# Altium PCB PCB - PCBWAY.PcbDoc (part 3 of 4) (continued)
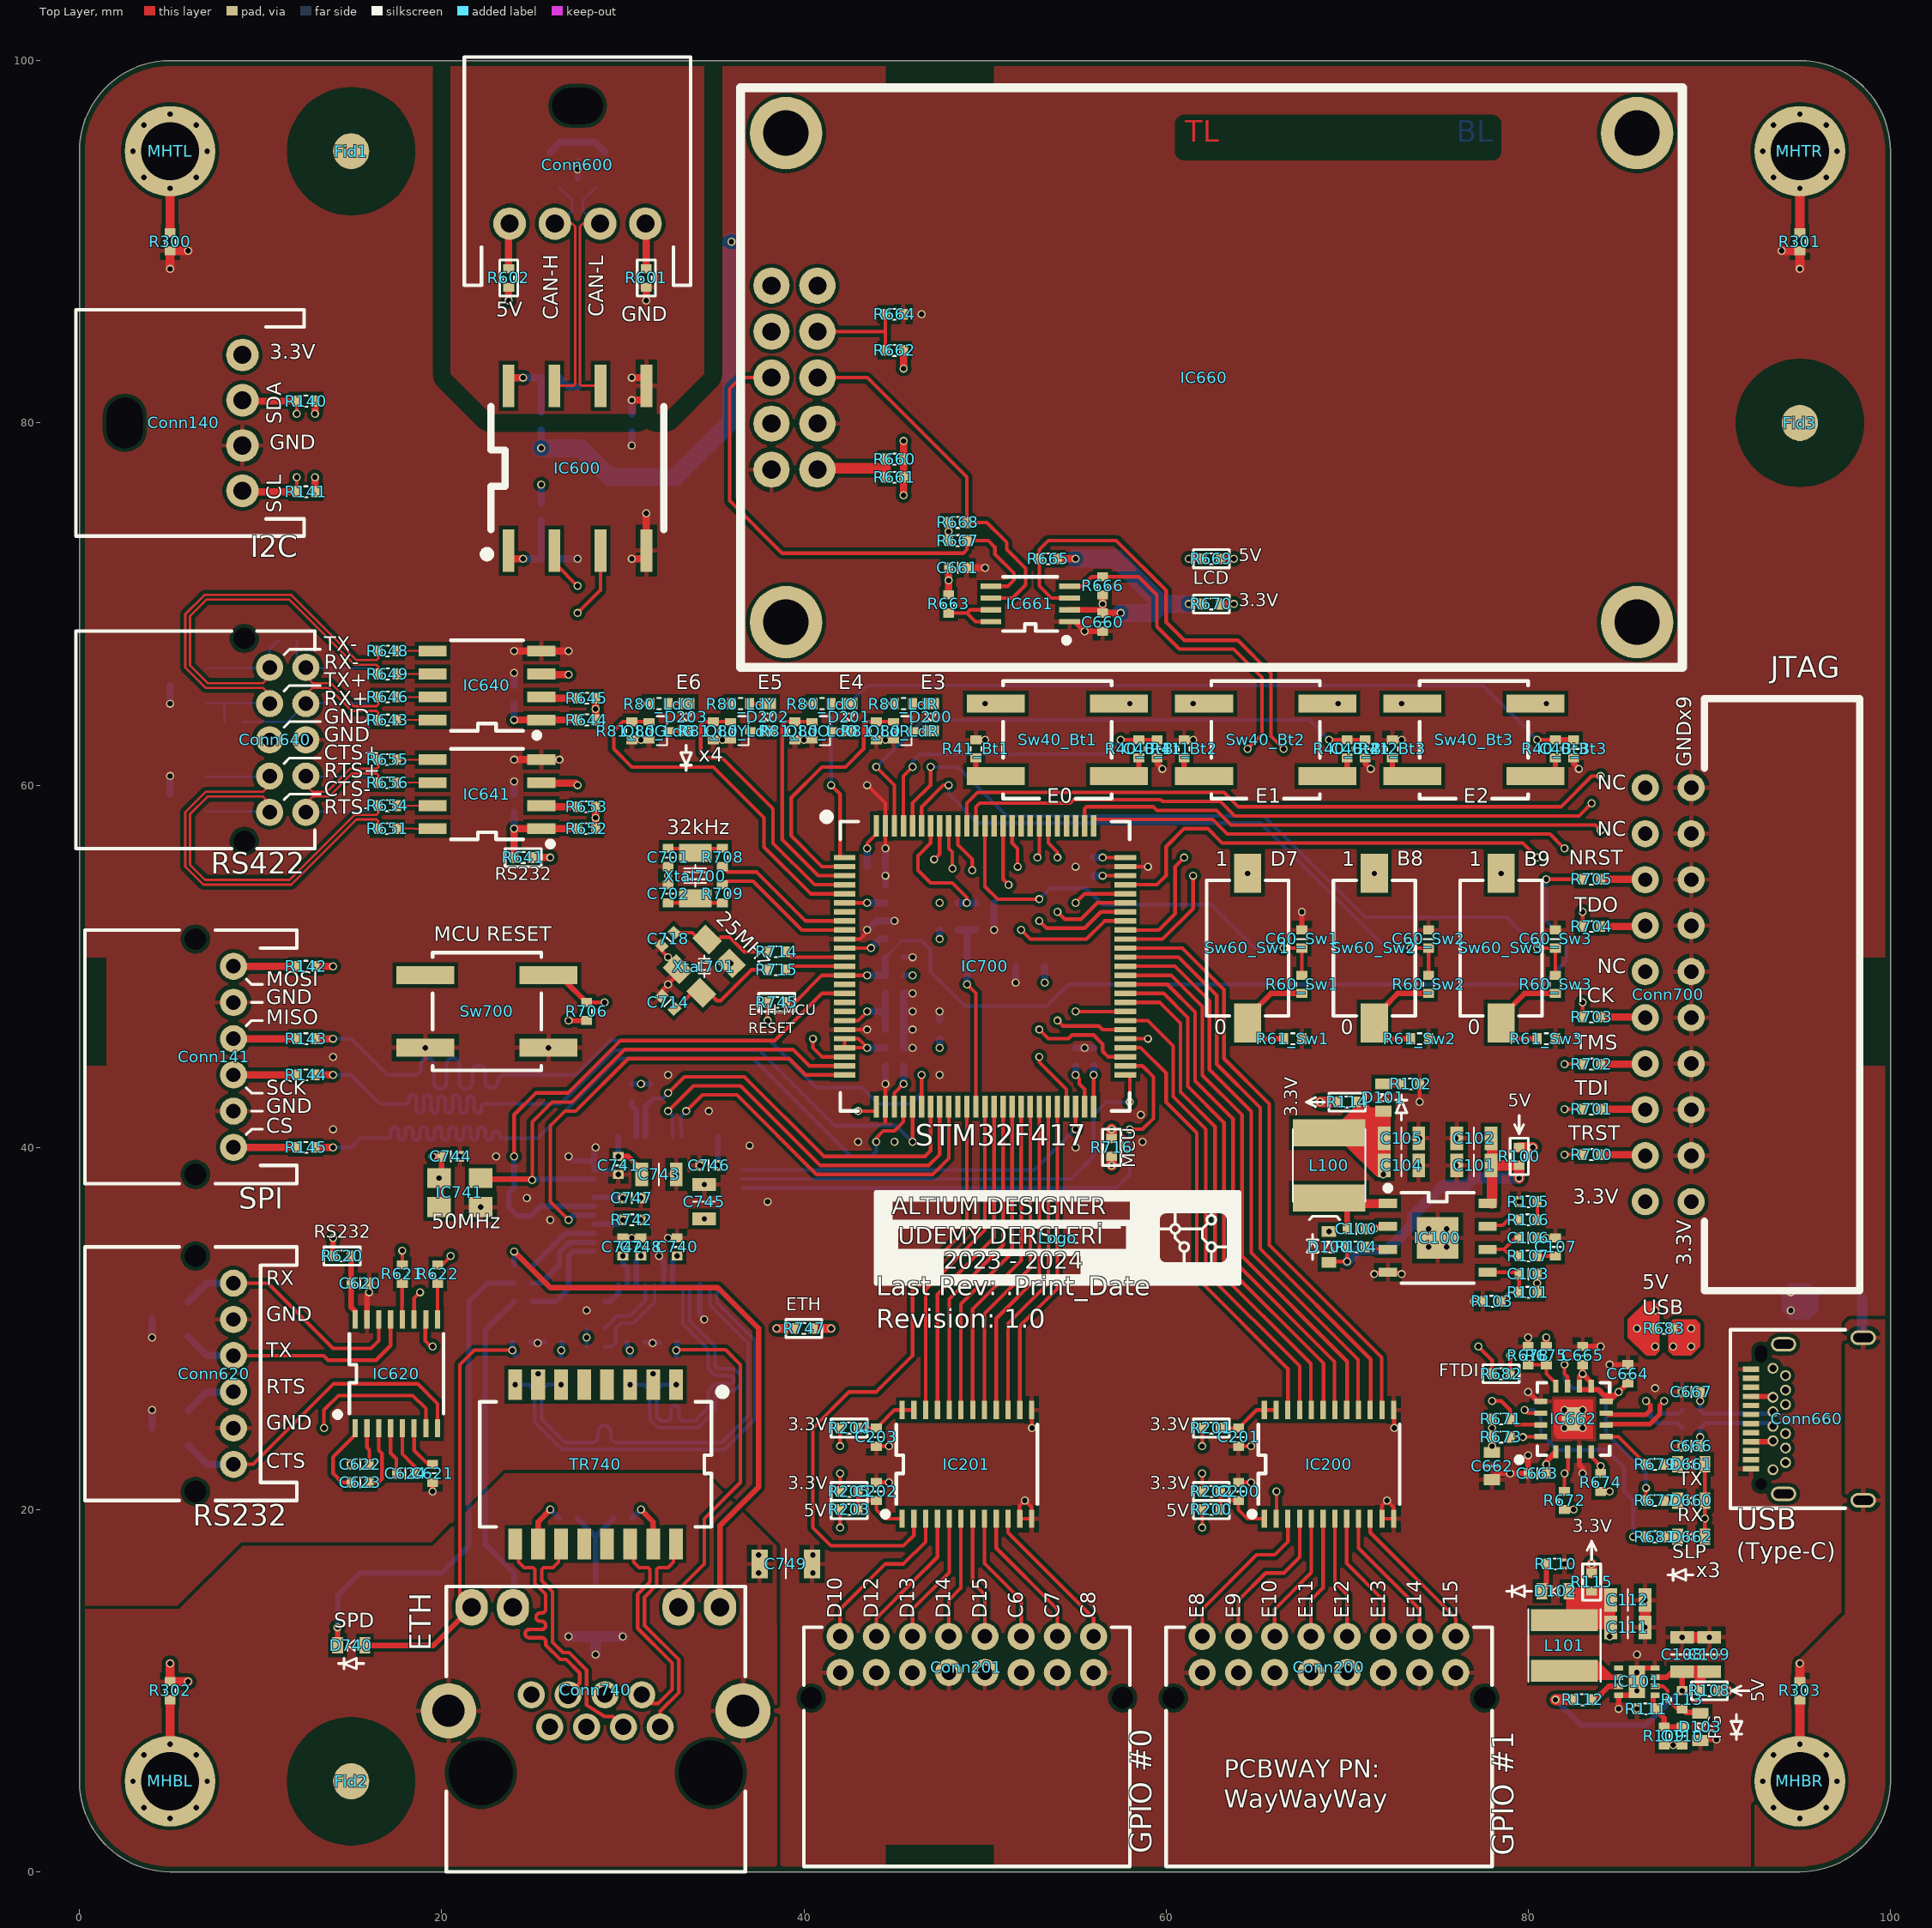
[diagram p0: Top Layer view]
## Nets (pads, with @x,y where several pads share a name; then routed paths per layer and width w, separated by ;. In a path a pad name is that pad's centre, name@x,y a point inside that pad or via, vN(x,y) a via of type N, cw(c..) or ccw(c..) an arc to the next point about the centre after c; other vN are vias at no path point) (continued)
  Top Layer w0.2: IC700.72@57.75,54.5 59.5,54.5 60,55 60,56.6 61,57.6 62.3,57.6 63.1,56.8 79.7,56.8 v2(80.5,56) ; v1(82,44.6) R702.1@83,44.6
  Layer 3 w0.2: v2(80.5,56) 81.1,56 81.8,55.3 81.8,54.1 81.3,53.6 81.3,45.3 v1(82,44.6)
PA14: IC700.76 R703.1 | length 36.6
  Top Layer w0.2: IC700.76@56.1,58.1 62.579,58.1 63.379,57.3 81.2,57.3 v1(82,56.5) ; R703.1@83,47.2 v2(83,48)
  Layer 3 w0.2: v1(82,56.5) 82.4,56.1 82.4,53.8 82,53.4 82,49 v2(83,48)
PA15: IC700.77 R701.1 | length 47.9
  Top Layer w0.2: IC700.77@55.5,57.75 55.5,58.7 55.6,58.8 59.3,58.8 59.5,58.6 62.786,58.6 63.586,57.8 83.7,57.8 v2(84,57.5) ; v1(82,42.1) R701.1@83,42.1
  Layer 3 w0.2: v1(82,42.1) 83.1,42.1 84,43 v2(84,57.5)
PB0: IC700.35
PB1: IC201.2 IC700.36 | length 34.8
  Top Layer w0.2: IC201.2@46.075,19.5 46.075,18.575 45.5,18 41.5,18 40.5,19 40.5,24.5 42.5,26.5 44,26.5 46,28.5 46,32.5 49,35.5 IC700.36@49,42.254
PB2: IC700.37 R711.1 R713.2 | length 11
  Top Layer w0.2: v1(49.007,49) 49.5,48.507 IC700.37@49.5,42.25
  Bottom Layer w0.4: R711.1@48.5,52 49.007,52 ; v1(49.007,49) 49.007,52 ; R713.2@49.5,52 49.007,52
PB3: IC700.89 R704.1 | length 42.9
  Top Layer w0.2: IC700.89@49.5,57.75 49.5,58.793 49.707,59 54.7,59 54.9,59.2 59.7,59.2 59.8,59.1 62.993,59.1 63.793,58.3 82.8,58.3 v1(83.5,59) ; R704.1@83,52.2 v2(83,53)
  Layer 3 w0.2: v2(83,53) 83,58.5 v1(83.5,59)
PB4: IC700.90 R700.1 | length 61.7
  Top Layer w0.2: IC700.90@49,57.75 49,59 49.6,59.6 63.2,59.6 64,58.8 81.8,58.8 83.5,60.5 v2(84,60.5) ; v1(82,39.6) R700.1@83,39.6
  Layer 3 w0.2: v1(82,39.6) 83,39.6 84.7,41.3 84.7,56.2 85,56.5 85,59.5 v2(84,60.5)
PB5: IC700.91 R142.2 | length 48.3
  Top Layer w0.2: IC700.91@48.5,57.75 48.5,56.7 49.3,55.9 v1(49.3,55.3)
  Top Layer w0.4: R142.2@13,50 v1(14,50)
  Layer 3 w0.2: v1(14,50) 18.7,50 25.1,56.4 25.1,58.9 27,60.8 28.2,60.8 32,57 41.3,57 42.6,55.7 45.1,55.7 46.4,54.4 48.9,54.4 49.3,54.8 v1(49.3,55.3)
PB6: Conn140.4 IC700.92 R141.2 | length 57.4
  Top Layer w0.2: R141.2@12,76.3 v1(12,77) ; IC700.92@48,57.75 48,56.5 48.2,56.3 v1(48.2,55.4)
  Top Layer w0.4: Conn140.4@9.5,76.2 R141.2@12,76.2
  Layer 3 w0.2: v1(12,77) 12,78 12.405,78.405 13.995,78.405 21.705,70.695 21.705,63.395 22.795,62.305 27.595,62.305 32.4,57.5 45,57.5 45.6,56.9 45.6,56.4 47,55 47.8,55 v1(48.2,55.4)
PB7: Conn140.2 IC700.93 R140.2 | length 57.4
  Top Layer w0.2: v2(12,80.5) R140.2@12,81.2 ; v1(47.2,55.9) 47.5,56.2 IC700.93@47.5,57.75
  Top Layer w0.4: Conn140.2@9.5,81.2 R140.2@12,81.2
  Layer 3 w0.2: v2(12,80.5) 12,79.5 12.6,78.9 14.2,78.9 15.3,77.8 15.371,77.729 16.908,76.192 ccw(c17.158,76.443) 17.408,76.192 17.728,76.511 cw(c17.978,76.261) 18.228,76.511 cw(c17.978,76.261) 18.228,76.011 17.909,75.692 ccw(c18.159,75.441) 17.909,75.191 18.41,74.69 18.48,74.62 22.2,70.9 22.2,63.6 23,62.8 27.8,62.8 32.605,57.995 45.205,57.995 46.095,57.105 46.095,56.605 46.8,55.9 v1(47.2,55.9)
PB8: C60_Sw2.1 IC700.95 R60_Sw2.2 | length 35.3
  Top Layer w0.2: IC700.95@46.5,57.505 IC700.95@46.5,57.75 46.5,58.8 47.7,60 v1(48,60) ; v1(73.5,51) C60_Sw2.1@74.5,51 R60_Sw2.2@74.5,49.5
  Bottom Layer w0.2: v1(48,60) 48,59.5 49.6,57.9 65.234,57.9 72.134,51 v1(73.5,51)
PB9: C60_Sw3.1 IC700.96 R60_Sw3.2 | length 44.1
  Top Layer w0.2: IC700.96@46,57.505 IC700.96@46,57.75 46,59.007 47,60.007 v1(47,61) ; v1(80.5,51) C60_Sw3.1@81.5,51 R60_Sw3.2@81.5,49.5
  Bottom Layer w0.2: v1(47,61) 48.5,61 51.2,58.3 65.4,58.3 71,52.7 78.8,52.7 v1(80.5,51)
PB10: IC662.2 IC700.47 R672.2 | length 55
  Top Layer w0.2: v1(53,45) 53,44.7 54.5,43.2 IC700.47@54.5,42.25 ; R672.2@82,21 v1(82,22) 82.2,22.2 82.2,23.1 82.175,23.125 IC662.2@82.175,23.19
  Layer 3 w0.2: v1(53,45) 53.7,45 56.9,48.2 59.2,48.2 63.1,44.3 63.1,35.2 68.7,29.6 72.9,29.6 74.5,28 74.5,24.5 78,21 81,21 v1(82,22)
PB11: IC700.48 IC740.2 | length 20.6
  Top Layer w0.2: v2(55,41) IC700.48@55,42.25
  Bottom Layer w0.2: IC740.2@36.6,38.75 52.75,38.75 v2(55,41)
PB12: IC700.51 IC740.3 | length 26
  Top Layer w0.2: v1(58,42.5) IC700.51@58,44
  Bottom Layer w0.2: IC740.3@36.6,38.25 54.75,38.25 56,39.5 56,41.8 56.7,42.5 v1(58,42.5)
PB13: IC700.52 IC740.4 | length 29.9
  Top Layer w0.2: IC700.52@57.75,44.5 58.7,44.5 59.3,43.9 59.3,41.6 58.7,41 v2(58,41)
  Bottom Layer w0.2: IC740.4@36.6,37.75 57.25,37.75 58,38.5 v2(58,41)
PB14: IC662.4 IC700.53 R674.2 | length 58.7
  Top Layer w0.2: v1(53,46.5) 53.5,46 54.6,46 54.8,46.2 56,46.2 56.5,45.7 56.5,45.3 56.8,45 IC700.53@57.75,45 ; IC662.4@83.475,23.19 83.475,22.925 v2(84,22.4) R674.2@84,22
  Layer 3 w0.2: v1(53,46.5) 53,47.5 55.2,49.7 59.821,49.7 64.6,44.921 64.6,35.821 69.321,31.1 73.521,31.1 76,28.621 76,27.7 76.4,27.3 80.3,27.3 81,26.6 81,24.2 81.9,23.3 83.1,23.3 v2(84,22.4)
PB15: IC200.22 IC700.54 | length 24.2
  Top Layer w0.2: IC700.54@57.75,45.5 58.6,45.5 60,44.1 60,42.5 61.7,40.8 61.7,32.8 66.725,27.775 IC200.22@66.725,25.5
PC0: IC700.15
PC1: IC700.16 IC740.31 | length 31.4
  Top Layer w0.2: v1(24,39.5) 24,41.8 25.2,43 26.986,43 29.886,45.9 38.4,45.9 41,48.5 IC700.16@42.25,48.5
  Bottom Layer w0.3: v1(24,39.5) 24,37.8 23.7,37.5 23.7,36.7 24.2,36.2 24.9,36.2 25.45,36.75 28.15,36.75 IC740.31@28.4,36.75
PC2: IC700.17
PC3: IC700.18
PC4: IC700.33 IC740.43 | length 21.8
  Top Layer w0.2: v1(32.5,42) 33.9,43.4 36.507,43.4 40.907,39 46.893,39 47.5,39.607 IC700.33@47.5,42.25
  Bottom Layer w0.2: v1(32.5,42) 32.75,41.75 IC740.43@32.75,40.6
PC5: IC700.34 IC740.44 | length 21.5
  Top Layer w0.2: v1(33.5,42) 34.4,42.9 36.3,42.9 40.7,38.5 47.1,38.5 48,39.4 IC700.34@48,42.25
  Bottom Layer w0.2: IC740.44@33.25,40.6 33.25,41.05 33.2,41.1 33.2,41.7 v1(33.5,42)
PC6: IC200.16 IC700.63 | length 31.4
  Top Layer w0.2: IC700.63@57.75,50 60.486,50 62.4,48.086 62.4,44.286 64.7,41.986 64.7,34.186 70.6,28.286 IC200.16@70.6,25.5
PC7: IC200.15 IC700.64 | length 32.3
  Top Layer w0.2: IC700.64@57.75,50.5 60.693,50.5 62.8,48.393 62.8,44.593 65.2,42.193 65.2,34.393 71.3,28.293 IC200.15@71.3,25.5
PC8: IC200.14 IC700.65 | length 33.2
  Top Layer w0.2: IC700.65@57.75,51 60.9,51 63.2,48.7 63.2,44.9 65.7,42.4 65.7,34.6 71.9,28.4 IC200.14@71.9,25.5
PC9: IC661.3 IC700.66 R665.2 | length 40.8
  Top Layer w0.2: IC661.3@54.675,70.325 53.675,70.325 53,71 R665.2@53,72.5 53,73 53.5,73.5 57.25,73.5 60,70.75 60,69 61.007,67.993 63.964,67.993 65.8,66.157 65.8,62.7 v1(66.5,62) ; IC700.66@57.75,51.5 59.807,51.5 61.5,53.193 v1(61.5,55)
  Layer 3 w0.2: v1(61.5,55) 66.5,60 v1(66.5,62)
PC10: IC700.78
PC11: IC700.79
PC12: IC700.80
PC13: IC700.7
PC14: IC700.8 R708.1 | length 8
  Top Layer w0.2: R708.1@35.5,55.5 35.8,55.2 37.4,55.2 40.1,52.5 IC700.8@42.25,52.5
PC15: IC700.9 R709.1 | length 8
  Top Layer w0.2: R709.1@35.5,54.5 35.7,54.7 37.193,54.7 39.893,52 IC700.9@42.25,52
PD0: IC600.2 IC700.81 | length 36.8
  Top Layer w0.2: IC600.2@26.35,72.15 v1(27.5,71) ; IC700.81@53.5,57.75 53.5,56.8 54,56.3 v1(54,56)
  Layer 3 w0.2: v1(27.5,71) 27.5,70.7 34.5,63.7 46.9,63.7 54,56.6 v1(54,56)
PD1: IC600.3 IC700.82 | length 37.3
  Top Layer w0.2: v1(27.5,69.5) 28.77,70.77 IC600.3@28.77,72.95 ; v1(52.9,56) 53,56.1 IC700.82@53,57.75
  Layer 3 w0.2: v1(27.5,69.5) 27.993,69.5 34.293,63.2 46.7,63.2 52.9,57 v1(52.9,56)
PD2: IC700.83
PD3: IC700.84
PD4: IC620.10 IC700.85 | length 62
  Top Layer w0.2: IC620.10@19.125,30.5 19.1,30.475 19.1,29.3 19.4,29 v1(19.5,29) ; IC700.85@51.5,57.75 51.5,56.8 51.8,56.5 v1(51.8,55.5)
  Layer 3 w0.2: v1(19.5,29) 22.3,31.8 40.407,31.8 50.5,41.893 50.5,49.3 51,49.8 54.5,49.8 56.3,51.6 56.3,53.7 55.25,54.75 53.85,54.75 53.6,55 52.3,55 v1(51.8,55.5)
PD5: IC620.11 IC700.86 | length 61.3
  Top Layer w0.2: IC620.11@18.475,30.5 18.475,31.675 v1(18.8,32) ; IC700.86@51,57.75 51,54.8 v1(51.3,54.5)
  Layer 3 w0.2: v1(18.8,32) 19.1,32.3 40.2,32.3 50,42.1 50,49.507 50.793,50.3 54.293,50.3 55.8,51.807 55.8,53.6 55.2,54.2 53.6,54.2 53.2,54.6 51.4,54.6 v1(51.3,54.5)
PD6: IC700.87
PD7: C60_Sw1.1 IC700.88 R60_Sw1.2 | length 24.5
  Top Layer w0.2: IC700.88@50,57.995 IC700.88@50,57.75 50,57 50,54.4 50.7,53.7 v1(53,53.7) ; v1(66.5,51) C60_Sw1.1@67.5,51 R60_Sw1.2@67.5,49.5
  Bottom Layer w0.2: v1(53,53.7) 53.6,54.3 55.6,54.3 56.5,53.4 62.5,53.4 64.9,51 v1(66.5,51)
PD8: IC200.2 IC700.55 | length 30.7
  Top Layer w0.2: IC700.55@57.75,46 v1(59,46) ; IC200.2@66.075,19.5 66.1,19.525 v1(66.1,21)
  Layer 3 w0.2: v1(59,46) 60.2,44.8 60.2,41.3 60.8,40.7 60.8,33.7 66.1,28.4 v1(66.1,21)
PD9: IC662.15 IC700.56 R671.2 | length 48.8
  Top Layer w0.2: v1(54,47) 54.3,46.7 56.3,46.7 56.5,46.5 IC700.56@57.75,46.5 ; v1(78,26) 78.5,26 79,25.5 R671.2@79,25 79.3,24.7 80.6,24.7 80.625,24.675 IC662.15@80.69,24.675
  Layer 3 w0.2: v1(54,47) 54,47.7 55.5,49.2 59.614,49.2 64.1,44.714 64.1,35.614 69.114,30.6 73.314,30.6 75.5,28.414 75.5,26.6 76.1,26 v1(78,26)
PD10: IC200.21 IC700.57 | length 26.2
  Top Layer w0.2: IC700.57@57.75,47 59,47 60.4,45.6 60.4,42.8 62.2,41 62.2,33.1 67.375,27.925 IC200.21@67.375,25.5
PD11: IC662.16 IC700.58 R673.2 | length 48.4
  Top Layer w0.2: v1(55,47.5) IC700.58@57.75,47.5 ; R673.2@79,24 79.025,24.025 IC662.16@80.69,24.025
  Layer 3 w0.2: v1(55,47.5) 56.2,48.7 59.407,48.7 63.6,44.507 63.6,35.407 68.907,30.1 73.107,30.1 75,28.207 75,24.9 77.4,22.5 78.2,22.5 v1(79.7,24)
PD12: IC200.20 IC700.59 | length 27.9
  Top Layer w0.2: IC700.59@57.75,48 59.657,48 60.8,46.857 60.8,43.057 62.7,41.157 62.7,33.357 68,28.057 IC200.20@68,25.5
PD13: IC200.19 IC700.60 | length 28.8
  Top Layer w0.2: IC700.60@57.75,48.5 59.864,48.5 61.2,47.164 61.2,43.364 63.2,41.364 63.2,33.564 68.7,28.064 IC200.19@68.7,25.5
PD14: IC200.18 IC700.61 | length 29.6
  Top Layer w0.2: IC700.61@57.75,49 60.072,49 61.6,47.472 61.6,43.672 63.7,41.572 63.7,33.772 69.3,28.172 IC200.18@69.3,25.5
PD15: IC200.17 IC700.62 | length 30.6
  Top Layer w0.2: IC700.62@57.75,49.5 60.279,49.5 62,47.779 62,43.979 64.2,41.779 64.2,33.979 70,28.179 IC200.17@70,25.5
PE0: C40_Bt1.1 IC700.97 R40_Bt1.2 | length 17.8
  Top Layer w0.2: IC700.97@45.5,57.75 45.5,60.5 v1(46,61) ; v1(57.5,62.5) C40_Bt1.1@59.5,62.5
  Bottom Layer w0.2: v1(46,61) 46,61.3 46.4,61.7 56.7,61.7 v1(57.5,62.5)
PE1: C40_Bt2.1 IC700.98 R40_Bt2.2 | length 32.2
  Top Layer w0.2: v1(44,61) 45,60 IC700.98@45,57.75 ; v1(69,62.5) C40_Bt2.1@71,62.5
  Bottom Layer w0.2: v1(44,61) 46.6,63.6 67.9,63.6 v1(69,62.5)
PE2: C40_Bt3.1 IC700.1 R40_Bt3.2 | length 51.7
  Top Layer w0.2: v1(41.5,60) 42,59.5 IC700.1@42,56 ; v1(80.5,62.5) C40_Bt3.1@82.5,62.5
  Top Layer w0.3: R40_Bt3.2@81.6,62.5 C40_Bt3.1@82.5,62.5
  Bottom Layer w0.2: v1(41.5,60) 41.5,63.5 43.5,65.5 77.5,65.5 v1(80.5,62.5)
PE3: IC700.2 Q80_LdR.G R81_LdR.1 | length 13.9
  Top Layer w0.2: IC700.2@42.25,55.5 41,55.5 39.3,57.2 39.3,59.3 41,61 42.3,61 43.3,62 43.3,63.3 43.5,63.5 R81_LdR.1@44,63.5 Q80_LdR.G@44.95,63.5
PE4: IC700.3 Q80_LdO.G R81_LdO.1 | length 12.3
  Top Layer w0.2: Q80_LdO.G@40.45,63.5 R81_LdO.1@39.5,63.5 39,63.5 38.8,63.3 38.8,56.993 40.793,55 IC700.3@42.25,55
PE5: IC700.4 Q80_LdY.G R81_LdY.1 | length 15.3
  Top Layer w0.2: Q80_LdY.G@35.95,63.5 R81_LdY.1@35,63.5 34.5,63.5 34.3,63.3 34.3,61.8 34.6,61.5 35.5,61.5 38.3,58.7 38.3,56.786 40.586,54.5 IC700.4@42.25,54.5
PE6: IC700.5 Q80_LdG.G R81_LdG.1 | length 20.2
  Top Layer w0.2: Q80_LdG.G@31.45,63.5 R81_LdG.1@30.5,63.5 30,63.5 29.5,63 29.5,62 30.5,61 35,61 37.8,58.2 37.8,56.579 40.379,54 IC700.5@42.25,54
PE7: IC201.22 IC700.38 | length 18.1
  Top Layer w0.2: IC201.22@46.725,25.5 46.725,32.16 50,35.435 IC700.38@50,42.25
PE8: IC201.21 IC700.39 | length 18
  Top Layer w0.2: IC201.21@47.375,25.5 47.375,31.89 50.5,35.015 IC700.39@50.5,42.25
PE9: IC201.20 IC700.40 | length 18
  Top Layer w0.2: IC201.20@48.025,25.5 48.025,31.621 51,34.596 IC700.40@51,42.25
PE10: IC201.19 IC700.41 | length 17.9
  Top Layer w0.2: IC201.19@48.675,25.5 48.675,31.352 51.5,34.177 IC700.41@51.5,42.25
PE11: IC201.18 IC700.42 | length 17.9
  Top Layer w0.2: IC201.18@49.325,25.5 49.325,31.083 52,33.758 IC700.42@52,42.25
PE12: IC201.17 IC700.43 | length 17.8
  Top Layer w0.2: IC201.17@49.975,25.5 49.975,30.813 52.5,33.338 IC700.43@52.5,42.25
PE13: IC201.16 IC700.44 | length 17.7
  Top Layer w0.2: IC201.16@50.625,25.5 50.625,30.544 53,32.919 IC700.44@53,42.25
PE14: IC201.15 IC700.45 | length 17.7
  Top Layer w0.2: IC201.15@51.275,25.5 51.275,30.275 53.5,32.5 IC700.45@53.5,42.25
PE15: IC201.14 IC700.46 | length 17.6
  Top Layer w0.2: IC201.14@51.925,25.5 51.925,30.125 54,32.2 IC700.46@54,42.25
RTS_N: Conn640.9 R650.2 R656.2 TVS640.D2 | length 9.1
  Top Layer w0.13: Conn640.9@12.5,58.5 12.5,59 12.87,59.37 13.77,59.37 15.04,60.64 16.4,60.64 16.5,60.54 R656.2@16.5,60.135
  Bottom Layer w0.13: Conn640.9@12.5,58.54 TVS640.D2@16,58.54
RTS_P: Conn640.7 R650.1 R655.2 TVS640.D1 | length 9.1
  Top Layer w0.13: Conn640.7@12.5,60.5 12.5,60 12.87,59.63 13.662,59.63 14.932,60.9 16.4,60.9 16.5,61 R655.2@16.5,61.405
  Bottom Layer w0.13: Conn640.7@12.5,60.46 TVS640.D1@16,60.46
RXC_N: Conn740.6 TR740.9 | length 12.3
  Top Layer w0.201: TR740.9@24.25,17.4 24.25,17.1 24.55,16.8 25.05,16.8 25.15,16.7 25.15,15.915 25.745,15.32 25.745,15.219 25.745,14.517 cw(c25.518,14.516) 25.518,14.289 25.442,14.289 ccw(c25.442,14.062) 25.442,13.834 25.519,13.834 cw(c25.519,13.607) 25.519,13.38 24.836,13.38 ccw(c24.836,13.152) 24.836,12.925 25.519,12.925 cw(c25.519,12.698) 25.746,12.698 25.746,12.597 25.746,12.518 26.543,11.722 26.878,11.722 27.622,10.978 27.622,10.416 Conn740.6@26.984,9.778
RXC_P: Conn740.3 TR740.11 | length 12.7
  Top Layer w0.201: TR740.11@26.45,17.5 26.45,17.1 26.15,16.8 25.628,16.8 25.528,16.7 25.528,16.072 26.125,15.475 26.125,12.675 26.7,12.1 27.035,12.1 28,11.135 28,9.2 28.998,8.576 29.456,8.576 Conn740.3@30.032,8
RXP_N: IC740.13 R754.2 TR740.8 | length 25
  Bottom Layer w0.201: R754.2@24.055,27.5 v3(24.055,26.9) 24.822,26.9 25.136,26.586 25.136,24.829 26.643,23.322 35.622,23.322 37.3,25 37.3,29.335 35.188,31.447 IC740.13@35.188,32.03
RXP_P: IC740.14 R753.1 TR740.6 | length 25
  Bottom Layer w0.201: R753.1@26.595,27.5 v3(26.595,26.9) 25.828,26.9 25.514,26.586 25.514,24.986 26.598,23.902 26.8,23.7 28.274,23.7 ccw(c28.274,24.054) 28.628,24.054 28.628,24.277 cw(c28.982,24.277) 29.337,24.277 29.337,24.054 ccw(c29.691,24.054) 29.691,23.7 30.5,23.7 35.465,23.7 36.922,25.157 36.922,29.178 34.809,31.291 IC740.14@34.809,32.03
SPD_AN1: IC740.27 R748.2 | length 4.7
  Bottom Layer w0.3: R748.2@25,32.5 25.5,32.5 26.5,33.5 26.5,34.207 27.043,34.75 IC740.27@28.4,34.75
TXC_N: Conn740.2 TR740.14 | length 11.3
  Top Layer w0.201: TR740.14@30.6,17.4 30.6,17.1 30.9,16.8 31.4,16.8 31.5,16.7 31.5,16 30.822,15.322 30.822,13.443 32.722,11.543 32.722,10.065 31.949,9.293 31.533,9.293 Conn740.2@31.048,9.778
TXC_P: Conn740.1 TR740.16 | length 11.7
  Top Layer w0.201: Conn740.1@32.064,8 32.064,8.872 33.1,9.908 33.1,11.7 31.2,13.6 31.2,15.165 31.878,15.843 31.878,16.7 31.978,16.8 32.5,16.8 32.8,17.1 TR740.16@32.8,17.5
TXP_N: IC740.16 R751.2 TR740.3 | length 17.2
  Bottom Layer w0.201: R751.2@30.405,27.5 v3(30.405,26.9) 31.172,26.9 31.486,26.586 31.486,24.979 31.943,24.522 34.157,24.522 34.433,24.798 35.1,25.465 35.1,26.337 cw(c35.327,26.337) 35.327,26.564 35.915,26.564 ccw(c35.915,27.17) 35.915,27.776 35.327,27.776 cw(c35.327,28.003) 35.1,28.003 35.1,29 34.578,29.522 33.692,30.408 IC740.16@33.692,32.342
TXP_P: IC740.17 R750.1 TR740.1 | length 17.2
  Bottom Layer w0.201: R750.1@32.945,27.475 v3(32.945,26.9) 32.178,26.9 31.864,26.586 31.864,25.136 31.926,25.074 32.1,24.9 32.425,24.9 ccw(c32.425,25.127) 32.653,25.127 32.653,25.511 cw(c32.88,25.511) 33.107,25.511 33.107,25.127 ccw(c33.335,25.127) 33.335,24.9 33.89,24.9 34,24.9 34.105,25.005 34.722,25.622 34.722,26.337 cw(c35.327,26.337) 35.327,26.943 35.915,26.943 ccw(c35.915,27.17) 35.915,27.397 35.327,27.397 cw(c35.327,28.003) 34.722,28.003 34.722,28.843 34.105,29.46 33.314,30.251 IC740.17@33.314,32.336
U_N: IC662.7 R680.2 | length 6.1
  Top Layer w0.254: IC662.7@84.31,25.325 84.388,25.247 86.507,25.247 86.738,25.478 86.738,25.762 v1(86.5,26)
  Bottom Layer w0.254: v1(86.5,26) 86.738,25.762 86.738,25.18 87.142,24.777 88.223,24.777 R680.2@88.5,24.5
U_P: IC662.6 R676.2 | length 6
  Top Layer w0.254: IC662.6@84.39,24.675 84.438,24.724 86.724,24.724 87.262,25.262 87.262,25.762 v1(87.5,26)
  Bottom Layer w0.254: v1(87.5,26) 87.262,25.762 87.262,25.397 87.359,25.3 88.3,25.3 R676.2@88.5,25.5
Usb_N: C666.1 Conn660.B7 D663.C2 R680.1 | length 6.7
  Top Layer w0.158: C666.1@89.5,23.5 v4(89.5,24)
  Bottom Layer w0.1: Conn660.B7@93.51,24.6 93.598,24.688 93.73,24.82 94.67,24.82 D663.C2@94.89,24.6
  Bottom Layer w0.254: v4(89.5,24) R680.1@89.5,24.5 89.777,24.777 Conn660.B7@93.51,24.777
Usb_P: C667.1 Conn660.B6 D663.C1 R676.1 | length 6.7
  Top Layer w0.158: v4(89.5,26) C667.1@89.5,26.5
  Bottom Layer w0.1: Conn660.B6@93.51,25.4 93.774,25.136 94.625,25.136 D663.C1@94.889,25.4
  Bottom Layer w0.254: v4(89.5,26) R676.1@89.5,25.5 89.7,25.3 Conn660.B6@93.51,25.3
VBus: Conn660.A4 Conn660.A9 Conn660.B4 Conn660.B9 R683.1 | length 2.4
  Top Layer w0.158: Conn660.B4@93.46,26.25 Conn660.B4@93.51,26.2
  Top Layer w0.3: Conn660.A4@92.3,23.75 Conn660.B9@93.46,23.75 ; Conn660.A9@92.3,26.25 Conn660.B4@93.46,26.25
  other v1: 88,29 89,29 89,30
VBusSense: IC662.12 R675.2 R678.1 | length 2.2
  Top Layer w0.2: R678.1@80,28 R675.2@81,28 81,27.5 IC662.12@81.525,26.975
Vcan: C601.1 IC600.8 R602.1 R603.2 | length 4.9
  Top Layer w0.4: IC600.8@23.7,82.05 23.7,82.5 v2(24.5,82.5) ; v2(23.7,86.75) R602.1@23.7,87.5
  Bottom Layer w0.4: v2(24.5,82.5) C601.1@25.5,82.5 R603.2@25.5,80.6
VCC_422: C640.1 C641.1 IC640.1 IC641.1 R641.2 R644.2 R652.2 | length 9.4
  Top Layer w0.4: R641.2@24,56 v1(24,57.6) IC641.1@25.5,57.6 ; v1(24,63.6) IC640.1@25.5,63.6 ; IC641.1@26,57.6 R652.2@27.5,57.6 ; IC640.1@26,63.6 R644.2@27.5,63.6
  Bottom Layer w0.4: v1(24,57.6) C641.1@24,58.5 ; v1(24,63.6) C640.1@24,64.5
Vdd: C703.1 C704.1 C705.1 C706.1 C707.1 C708.1 C709.1 C710.1 C711.1 C712.1 C713.1 C715.1 IC700.6 IC700.11 IC700.19 IC700.21 IC700.22 IC700.28 IC700.50 IC700.75 IC700.100 R710.2 R711.2 R716.2 | length 25.2
  Top Layer w0.2: IC700.19@42.25,47 43,47 v1(43.5,47.5) ; IC700.11@42.25,51 v1(43.7,51) ; IC700.6@42.25,53.5 v1(43.5,53.5) ; v1(43.5,56.5) 43.5,56.8 44,57.3 IC700.100@44,57.75 ; IC700.28@45,42.25 45,43 v1(45.5,43.5) ; IC700.50@56,42.25 v3(56,44) ; v3(56.5,56) IC700.75@57.75,56 ; IC700.22@42.25,45.5 IC700.21@42.25,46 43,46 v1(43.5,45.5) IC700.22@42.25,45.5
  Top Layer w0.6: R716.2@57,40.5 v2(57,41)
  Bottom Layer w0.4: v1(43.5,45.5) C712.1@44.5,45.5 ; v1(43.5,47.5) C705.1@44.5,47.5 ; v1(43.5,53.5) C715.1@44.5,53.5 ; C709.1@43.5,55.5 v1(43.5,56.5) ; v1(43.7,51) 44.2,51.5 C707.1@44.5,51.5 ; C713.1@44.5,46.5 C705.1@44.5,47.5 ; C710.1@44.5,48.5 C705.1@44.5,47.5 ; v1(45.5,43.5) C704.1@45.5,44.5 ; v3(47.5,45.5) C711.1@47.5,46 ; v1(53.3,49.1) C703.1@53.3,50 ; v3(56,44) C708.1@56,44.5 ; C706.1@56,56 v3(56.5,56) ; v3(47.5,51.5) R711.2@47.5,52 v3(47.5,51.5)
  other v1: 47.5,53.5
YZ_N: Conn640.2 R642.2 R649.2 R658.2 TVS641.D2 | length 26.1
  Top Layer w0.13: Conn640.2@10.5,66.5 10.5,66 10.13,65.63 7.07,65.63 6.1,66.6 6.1,69.332 7.008,70.24 11.592,70.24 15.192,66.64 16.4,66.64 16.5,66.54 R649.2@16.5,66.135
  Bottom Layer w0.13: TVS641.D2@7,66.46 Conn640.2@10.5,66.46 ; Conn640.2@10.5,66.5 10.5,67.5 R658.2@11,68
YZ_P: Conn640.4 R642.1 R648.2 R657.2 TVS641.D1 | length 26.3
  Top Layer w0.13: Conn640.4@10.5,64.5 10.5,65 10.13,65.37 6.962,65.37 5.84,66.492 5.84,69.44 6.9,70.5 11.7,70.5 15.3,66.9 16.4,66.9 16.5,67 R648.2@16.5,67.405
  Bottom Layer w0.13: TVS641.D1@7,64.54 Conn640.4@10.5,64.54 ; R657.2@8,63.5 R642.1@8,64.5
pads on no net: Conn140.8-VIN Conn141.8-VIN Conn200.8-VIN Conn201.8-VIN Conn600.8-VIN Conn620.8-VIN Conn640.8-VIN Conn660.A2 Conn660.A3 Conn660.A5 Conn660.A6 Conn660.A7 Conn660.A8 Conn660.A10 Conn660.A11 Conn660.B2 Conn660.B3 Conn660.B5 Conn660.B8 Conn660.B10 Conn660.B11 Conn660.Hole1 Conn660.Hole2 Conn700.11 Conn700.17 Conn700.19 Conn740.4 Conn740.5 Conn740.7 Conn740.8 Conn740.Hole-L Conn740.Hole-R Fid1.TP Fid2.TP Fid3.TP IC101.5 IC660.Hole-BL IC660.Hole-BR IC660.Hole-TL IC660.Hole-TR IC660.NC-8 IC660.NC-9 IC660.NC-10 IC740.1 IC740.5 IC740.6 IC740.7 IC740.8 IC740.9 IC740.10 IC740.11 IC740.12 IC740.25 IC740.33 IC740.38 IC740.41 IC740.42 IC740.45 IC740.46 TR740.4 TR740.5 TR740.12 TR740.13

## Polygon pours and split planes (outlines as drawn)
Gnd on Top Layer "Top Gnd" (solid, pour order 13): 5,0 95,0 ccw(c95,5) 100,5 100,95 ccw(c95,95) 95,100 5,100 ccw(c5,95) 0,95 0,5 ccw(c5,5)
ChassisE on Top Layer "Top Eth Ch" (solid, pour order 11): 0,14.5 0,5 ccw(c5,5) 5,0 38.5,0 38.516,0.016 38.5,18 34.5,22 23.5,22 19.5,18 9,18 5.5,14.5
Gcan on Top Layer "Top Can Gnd" (solid, pour order 5): 20.5,100 20.5,82.7 22.7,80.5 32.3,80.5 34.5,82.7 34.5,100
ChassisU on Top Layer "Top Usb Ch" (solid, pour order 10): 95,11.75 95,9 93,7 92.5,7 92.5,0 95,0 ccw(c95,5) 100,5 100,30.5 97.75,30.5 97.5,30.25 97.5,14.25
Gcan on Bottom Layer "Bottom Can Gnd" (solid, pour order 1): 20.5,100 20.5,82.7 22.7,80.5 32.3,80.5 34.5,82.7 34.5,100
Gnd on Bottom Layer "Bottom Gnd" (solid, pour order 12): 5,0 95,0 ccw(c95,5) 100,5 100,95 ccw(c95,95) 95,100 5,100 ccw(c5,95) 0,95 0,5 ccw(c5,5)
ChassisE on Bottom Layer "Top Eth Ch" (solid, pour order 8): 0,14.5 0,5 ccw(c5,5) 5,0 38.5,0 38.516,0.016 38.5,18 34.5,22 23.5,22 19.5,18 9,18 5.5,14.5
ChassisU on Bottom Layer "Bottom Usb Ch" (solid, pour order 7): 95,11.75 95,9 93,7 92.5,7 92.5,0 95,0 ccw(c95,5) 100,5 100,30.5 97.75,30.5 97.5,30.25 97.5,14.25
Gnd on Layer 3 "L3 Gnd" (solid, pour order 9): 5,0 95,0 ccw(c95,5) 100,5 100,95 ccw(c95,95) 95,100 5,100 ccw(c5,95) 0,95 0,5 ccw(c5,5)
ChassisE on Layer 3 "Top Eth Ch" (solid, pour order 4): 0,14.5 0,5 ccw(c5,5) 5,0 38.5,0 38.516,0.016 38.5,18 34.5,22 23.5,22 19.5,18 9,18 5.5,14.5
ChassisU on Layer 3 "L3 Usb Ch" (solid, pour order 3): 95,11.75 95,9 93,7 92.5,7 92.5,0 95,0 ccw(c95,5) 100,5 100,30.5 97.75,30.5 97.5,30.25 97.5,14.25
Gcan on Layer 3 "L3 Can Gnd" (solid, pour order 0): 20.5,100 20.5,82.7 22.7,80.5 32.3,80.5 34.5,82.7 34.5,100
ChassisE on Layer 4 (split plane): 38.498,18.292 38.498,0.51 5,0.51 4.982,0.509 4.706,0.518 4.414,0.547 4.124,0.594 3.837,0.661 3.556,0.747 3.281,0.85 3.013,0.971 2.754,1.11 2.504,1.265 2.266,1.436 2.038,1.623 1.824,1.824 1.623,2.038 1.436,2.266 1.265,2.504 1.11,2.754 0.971,3.013 0.85,3.281 0.747,3.556 0.661,3.837 0.594,4.124 0.547,4.414 0.518,4.706 0.509,4.982 0.51,5 0.51,14.498 5,14.498 5.098,14.507 5.192,14.536 5.279,14.582 5.355,14.645 8.708,17.998 19,17.998 19.098,18.007 19.192,18.036 19.279,18.082 19.355,18.145 23.208,21.998 34.792,21.998
5V on Layer 4 (split plane): 227 vertices, not listed, extent 35.202,0.51 99.491,99.491
3.3V on Layer 4 (split plane): 5,99.49 19.798,99.49 19.798,82.5 19.805,82.448 19.825,82.399 19.857,82.357 22.357,79.857 22.399,79.825 22.448,79.805 22.5,79.798 32.5,79.798 32.552,79.805 32.601,79.825 32.643,79.857 34.798,82.013 34.798,79.5 34.805,79.448 34.825,79.399 34.857,79.357 47.357,66.857 47.399,66.825 47.448,66.805 47.5,66.798 60.75,66.798 60.802,66.805 60.851,66.825 60.893,66.857 62.643,68.607 62.675,68.649 62.695,68.698 62.702,68.75 62.702,71.048 89.166,71.048 92.298,67.916 92.298,37.584 91.166,36.452 85.834,36.452 84.702,37.584 84.702,40 84.695,40.052 84.675,40.101 84.643,40.143 83.393,41.393 83.351,41.425 83.302,41.445 83.25,41.452 79.25,41.452 79.198,41.445 79.149,41.425 79.107,41.393 78.607,40.893 78.575,40.851 78.555,40.802 78.548,40.75 78.548,40 78.555,39.948 78.575,39.899 78.607,39.857 82.298,36.166 82.298,32.084 80.416,30.202 79,30.202 78.948,30.195 78.899,30.175 78.857,30.143 76.857,28.143 76.825,28.101 76.805,28.052 76.798,28 76.798,22 76.805,21.948 76.825,21.899 76.857,21.857 80.857,17.857 80.899,17.825 80.948,17.805 81,17.798 86.048,17.798 86.048,16.334 84.916,15.202 78.834,15.202 73.893,20.143 73.851,20.175 73.802,20.195 73.75,20.202 40.202,20.202 40.202,39 40.195,39.052 40.175,39.101 40.143,39.143 34.143,45.143 34.101,45.175 34.052,45.195 34,45.202 20,45.202 19.948,45.195 19.899,45.175 19.857,45.143 14.857,40.143 14.825,40.101 14.805,40.052 14.798,40 14.798,19.002 8.5,19.002 8.402,18.993 8.308,18.964 8.221,18.918 8.145,18.855 4.792,15.502 0.51,15.502 0.51,44.5 1.5,44.5 1.5,50.5 0.51,50.5 0.51,95 0.509,95.018 0.518,95.294 0.547,95.586 0.594,95.876 0.661,96.163 0.747,96.444 0.85,96.719 0.971,96.987 1.11,97.246 1.265,97.496 1.436,97.734 1.623,97.962 1.824,98.176 2.038,98.377 2.266,98.564 2.504,98.735 2.754,98.89 3.013,99.029 3.281,99.15 3.556,99.253 3.837,99.339 4.124,99.406 4.414,99.453 4.706,99.482 4.982,99.491
NetC740_1 on Layer 4 (split plane): 30.048,39.666 30.048,38.334 29.916,38.202 29.75,38.202 29.698,38.195 29.649,38.175 29.607,38.143 29.107,37.643 29.075,37.601 29.055,37.552 29.048,37.5 29.048,35.5 29.055,35.448 29.075,35.399 29.107,35.357 30.298,34.166 30.298,33.75 30.305,33.698 30.325,33.649 30.357,33.607 30.607,33.357 30.649,33.325 30.698,33.305 30.75,33.298 32.25,33.298 32.302,33.305 32.351,33.325 32.393,33.357 32.643,33.607 32.675,33.649 32.695,33.698 32.702,33.75 32.702,34.166 32.834,34.298 33.166,34.298 33.298,34.166 33.298,33.334 32.416,32.452 29.834,32.452 28.202,34.084 28.202,38.416 29.584,39.798 29.916,39.798
VCC_422 on Layer 4 (split plane): 25.798,63.916 25.798,57.084 24.916,56.202 23.084,56.202 22.202,57.084 22.202,63.916 23.084,64.798 24.916,64.798
3.3V_ETH on Layer 4 (split plane): 39.798,38.916 39.798,20 39.798,19.584 39.213,18.998 35.355,22.855 35.279,22.918 35.192,22.964 35.098,22.993 35,23.002 23,23.002 22.902,22.993 22.808,22.964 22.721,22.918 22.645,22.855 18.792,19.002 15.202,19.002 15.202,39.916 20.084,44.798 33.916,44.798
Vcan on Layer 4 (split plane): 34.798,87.5 34.798,82.584 32.416,80.202 22.584,80.202 20.202,82.584 20.202,99.49 34.798,99.49